# Altium PCB Copy of foxbms2-master.PcbDoc (part 11 of 11)
Units mm, origin at the board's own origin, x right, y up, seen from the top; angles counter-clockwise.
Board outline 200.11 x 130.05 mm, 8 copper layers (Top, Int1 (Sig), Int2 (Gnd), Int3 (Sig), Int4 (Sig), Int5 (Pwr), Int6 (Sig), Bottom), stack 1.636 mm thick; 806 components, 624 nets, 2842 pads, 2609 vias.
Unrouted connection lines stored in the file: 3.
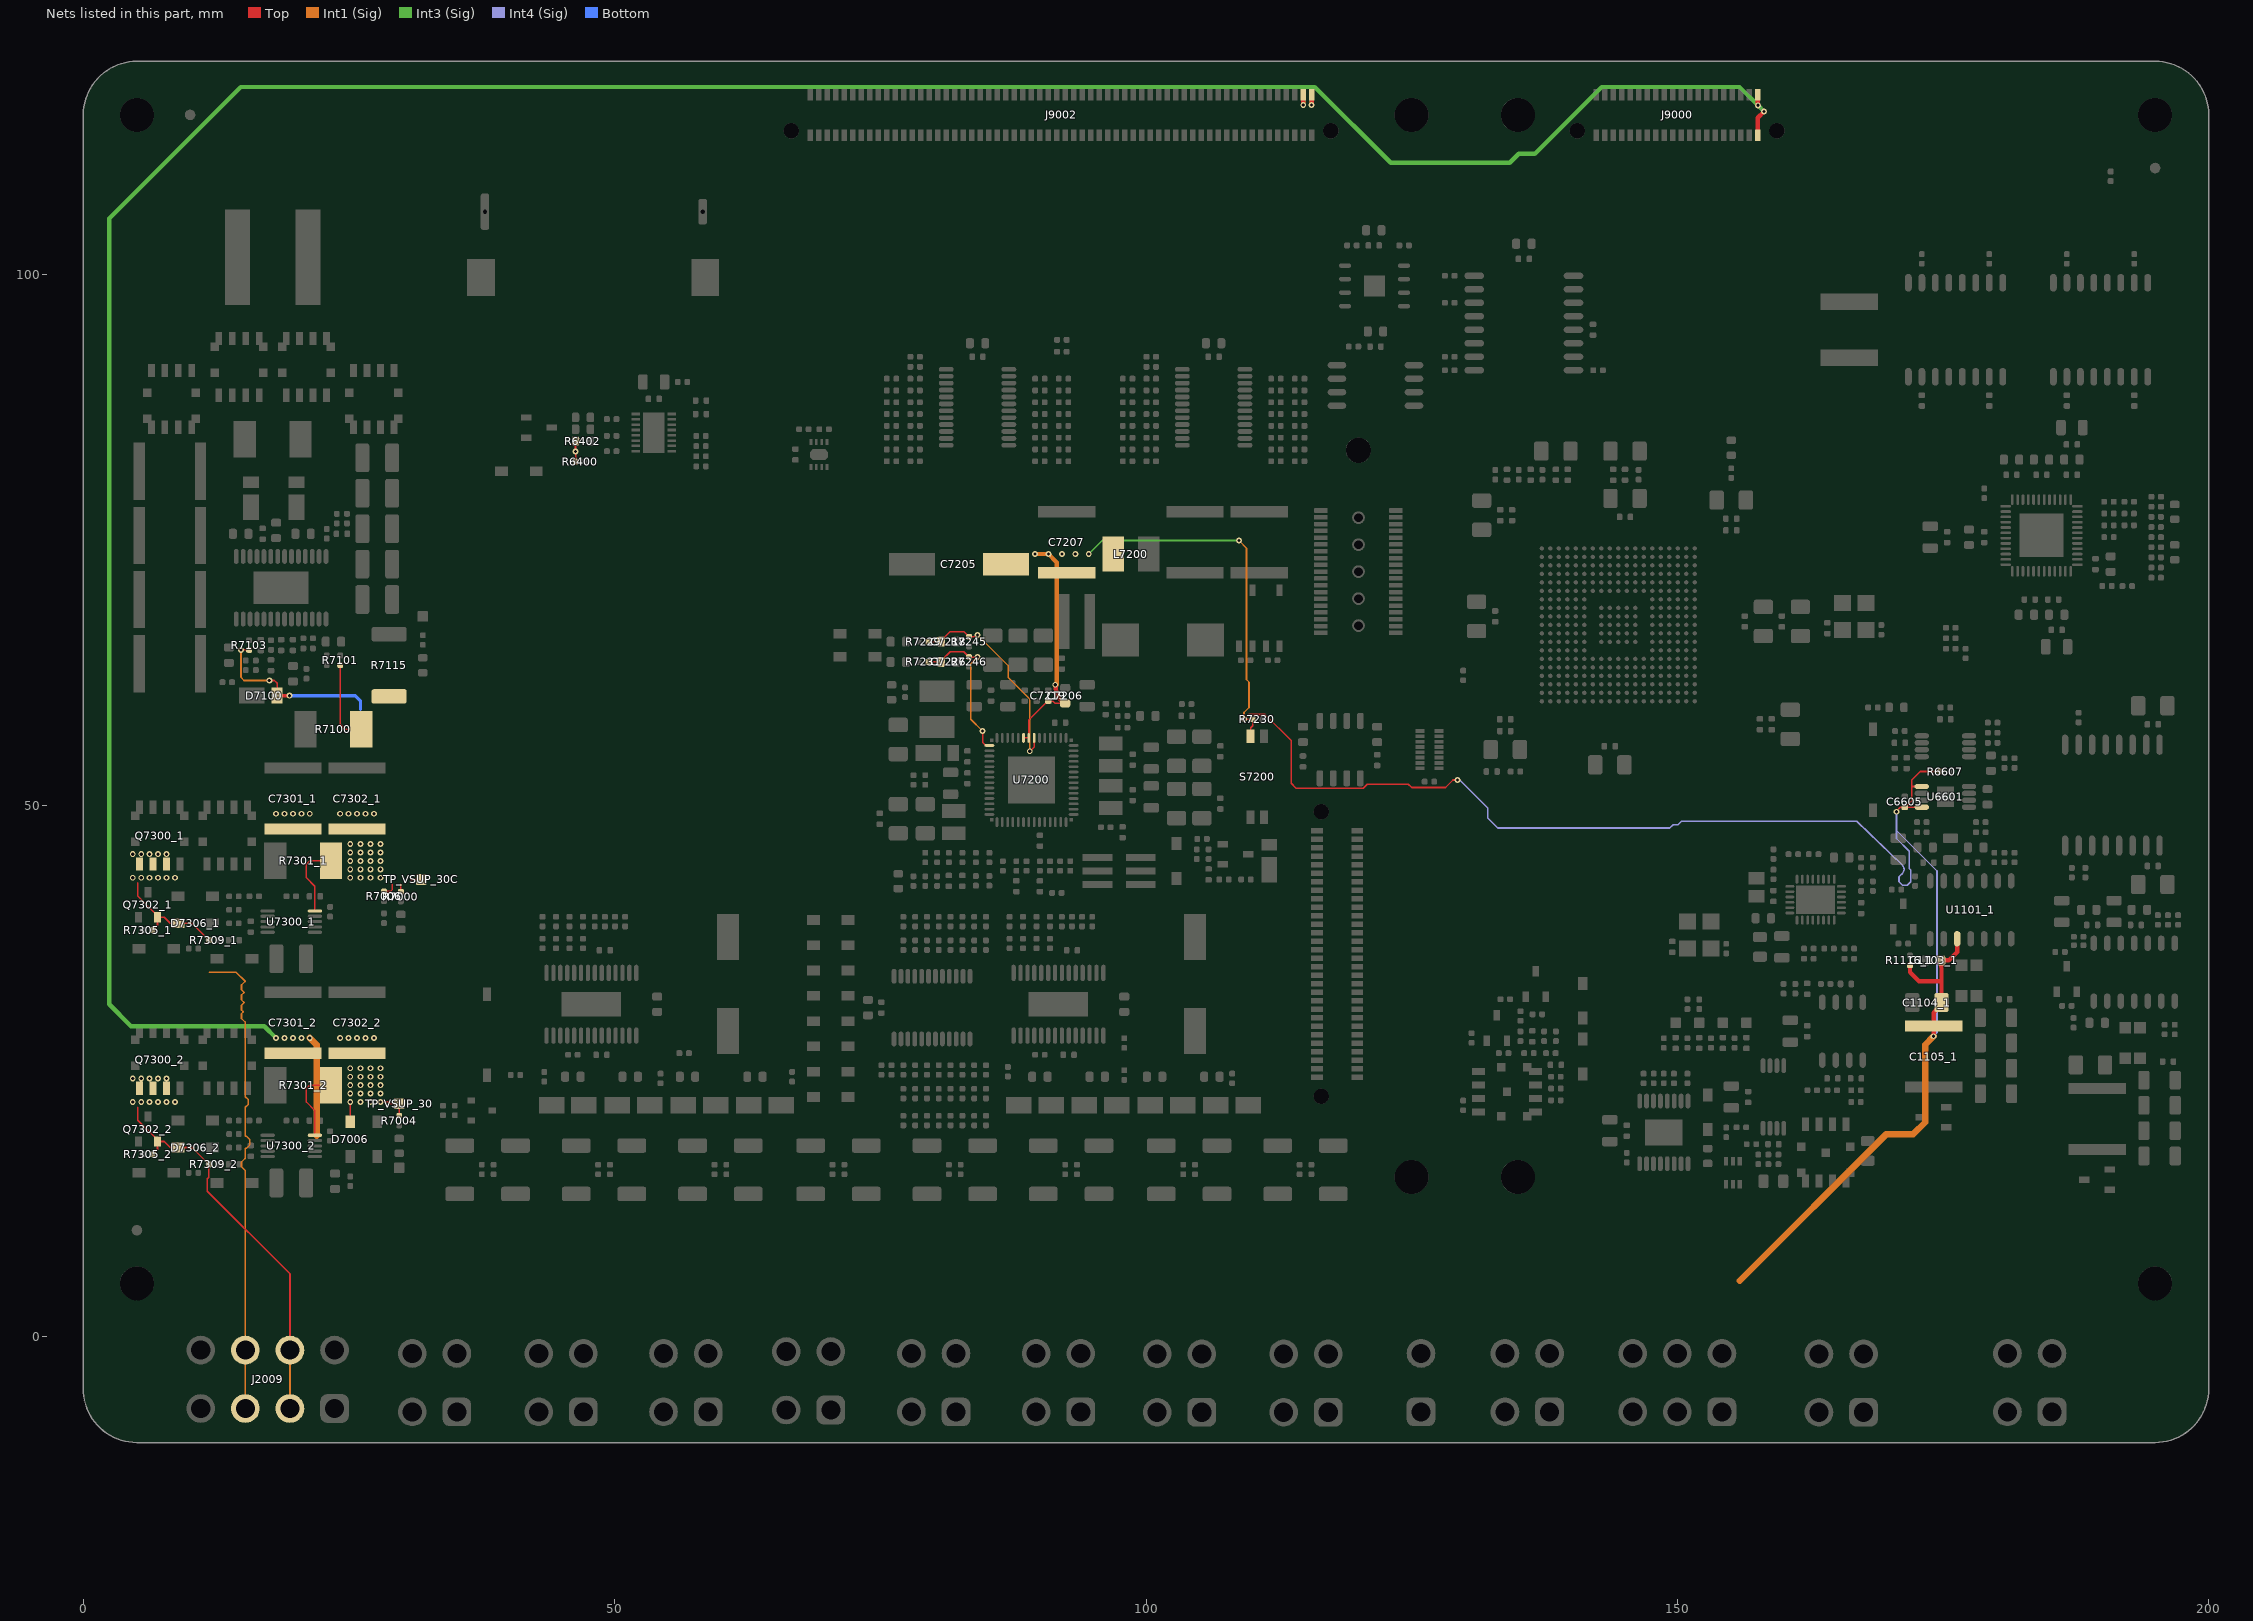
[diagram p17: the nets of this part, all layers, seen from the top]

## Via types
v1: diameter 0.55, hole 0.3, Top to Bottom, 1559 vias
v2: diameter 0.55, hole 0.3, Top to Bottom, tented both sides, 810 vias
v3: diameter 0.45, hole 0.2, Top to Bottom, tented both sides, 169 vias
v4: diameter 0.45, hole 0.2, Top to Bottom, 25 vias
v5: diameter 0.5, hole 0.2, Top to Bottom, 20 vias
v6: diameter 0.75, hole 0.5, Top to Bottom, tented both sides, 17 vias
v7: diameter 0.75, hole 0.5, Top to Bottom, 9 vias

## Nets (pads, with @x,y where several pads share a name; then routed paths per layer and width w, separated by ;. In a path a pad name is that pad's centre, name@x,y a point inside that pad or via, vN(x,y) a via of type N, cw(c..) or ccw(c..) an arc to the next point about the centre after c; other vN are vias at no path point) (continued)
VSUP_30: C1103_1.2 C1104_1.2 C1105_1.2 C6605.2 C7205.1 C7206.2 C7207.2 C7219.2 C7301_2.2 C7302_2.2 D7006.1 J9000.39 J9000.40 J9002.117 J9002.119 L7200.1 R1116_1.2 R6400.2 R6402.2 R6607.1 R7004.2 R7230.2 R7301_2.2 S7200.4 TP_VSUP_30.1 U1101_1.10 U6601.5 U6601.8 U7200.50 U7200.51 U7300_2.5 | length 507.8
  Top w0.152: U7300_2.5@21.751,18.939 21.751,21.27 20.955,22.066 20.955,23.336 21.273,23.654 R7301_2.2@23.262,23.654 ; D7006.1@25.082,20.209 v1(25.082,22.066) ; v1(27.94,22.066) 28.734,22.066 28.892,21.907 TP_VSUP_30.1@29.686,21.907 R7004.2@29.686,20.77 ; R6402.2@46.29,84.296 46.29,83.31 v1(46.286,83.307) 46.305,83.287 R6400.2@46.305,82.356 ; U7200.51@88.467,56.35 U7200.50@88.968,56.35 88.968,58.027 90.755,59.815 C7219.2@90.805,59.815 91.217,59.815 91.432,59.6 C7206.2@92.293,59.6 ; S7200.4@109.855,56.515 109.855,57.309 110.04,57.494 R7230.2@110.04,58.102 v2(109.22,58.102) 109.673,58.555 111.208,58.555 113.665,56.098 113.665,52.07 114.118,51.617 120.46,51.617 120.832,51.989 124.69,51.989 125.005,51.674 128.192,51.674 128.905,52.387 v1(129.334,52.387) ; v1(170.656,49.388) 170.656,49.467 171.003,49.814 C6605.2@171.45,49.814 C6605.2@171.5,49.814 ; U6601.8@173.035,49.825 172.258,49.825 172.247,49.814 C6605.2@171.5,49.814 ; U6601.5@173.035,51.775 172.091,51.775 172.085,51.781 ; R6607.1@174.81,53.181 172.879,53.181 172.085,52.387 172.085,51.781 ; C6605.2@171.5,49.814 172.085,50.399 172.085,51.781
  Top w0.406: v2(91.45,61.357) 91.599,60.325 91.599,60.294 92.293,59.6 C7206.2@92.392,59.6 ; v1(114.8,115.947) J9002.117@114.8,116.9 ; v1(115.594,115.941) 115.6,115.947 J9002.119@115.6,116.9 ; J9000.40@157.6,113.1 157.6,114.737 v1(158.19,115.327) ; J9000.39@157.6,116.9 157.6,115.917 v1(157.615,115.902) ; R1116_1.2@171.926,34.951 171.926,34.29 172.774,33.442 174.889,33.442 ; v2(174.149,28.258) C1105_1.2@174.149,29.228 174.149,30.468 174.889,31.208 C1104_1.2@174.889,31.432 174.889,33.442 ; U1101_1.10@176.371,37.439 176.371,36.195 175.577,35.401 C1103_1.2@174.874,35.401 174.874,34.825 174.889,34.81 174.889,33.442
  Int3 (Sig) w0.152: v1(94.615,73.66) 95.885,74.93 v1(108.744,74.93)
  Int3 (Sig) w0.406: v1(18.098,28.099) 16.986,29.21 4.445,29.21 2.381,31.274 2.381,105.251 14.764,117.634 114.792,117.634 ; v1@114.792,115.947 114.792,117.634 ; v1@115.578,115.941 115.578,117.634 ; v1(158.19,115.327) v1(157.615,115.902) 155.883,117.634 142.899,117.634 136.612,111.347 135.099,111.347 134.242,110.49 123.031,110.49 115.887,117.634 115.578,117.634 ; 114.792,117.634 115.578,117.634
  Int1 (Sig) w0.152: v1(108.744,74.93) 109.459,74.214 109.459,61.842 109.696,61.605 109.696,59.214 109.22,58.737 v2(109.22,58.102)
  Int1 (Sig) w0.406: v1(89.535,73.66) v1(90.805,73.66) 91.599,72.866 91.599,61.357 v2(91.45,61.357)
  Int1 (Sig) w0.61: v1(21.273,28.099) 21.907,27.464 21.907,18.891 ; 155.892,5.239 169.704,19.05 172.244,19.05 173.355,20.161 173.355,27.464 v2(174.149,28.258)
  Int4 (Sig) w0.152: v1@129.381,52.546 132.158,49.769 132.158,48.827 133.12,47.864 149.315,47.864 149.63,48.179 150.087,48.179 150.405,48.497 166.902,48.497 171.199,44.374 cw(c170.815,43.974) 171.194,43.569 170.985,43.373 170.896,43.284 170.896,42.792 171.22,42.467 171.68,42.467 172.004,42.792 172.004,43.905 171.876,44.034 ccw(c170.815,43.974) 171.848,44.222 171.848,45.681 170.656,46.873 170.656,47.636 ; v1(170.656,49.388) 170.656,47.636 ; v2(174.149,28.258) 174.466,28.575 174.466,43.826 170.656,47.636
  other v1: 26.035,22.066 26.987,22.066 25.082,22.86 26.035,22.86 26.987,22.86 27.94,22.86 25.082,23.654 26.035,23.654 26.987,23.654 27.94,23.654 25.082,24.447 26.035,24.447 26.987,24.447 27.94,24.447 25.082,25.241 26.035,25.241 26.987,25.241 27.94,25.241 18.891,28.099 19.685,28.099 20.479,28.099 24.13,28.099 24.924,28.099 25.717,28.099 26.511,28.099 27.305,28.099 92.075,73.66 93.345,73.66
VSUP_30C: C7301_1.2 C7302_1.2 D7100.2 R7000.2 R7006.2 R7100.1 R7101.2 R7103.2 R7115.1 R7301_1.2 TP_VSUP_30C.1 U7300_1.5 | length 34.9
  Top w0.152: v2(14.79,64.637) R7103.2@15.557,64.637 ; v1(17.462,61.754) 17.939,61.754 18.194,61.499 D7100.2@18.194,60.325 ; U7300_1.5@21.751,40.053 21.751,42.384 20.955,43.18 20.955,44.45 21.273,44.767 R7301_1.2@23.262,44.767 ; R7101.2@24.13,63.209 24.13,57.626 24.606,57.15 R7100.1@26.12,57.15 ; R7006.2@28.258,41.884 28.866,41.884 29.051,42.069 29.051,42.545 ; R7000.2@29.845,41.858 29.845,42.545 ; 30.797,43.021 TP_VSUP_30C.1@31.75,43.021
  Top w0.305: D7100.2@18.194,60.325 v1(19.367,60.325)
  Int1 (Sig) w0.152: v2(14.79,64.637) 14.79,62.045 15.081,61.754 v1(17.462,61.754)
  Bottom w0.305: v1(19.367,60.325) 25.559,60.325 26.035,59.849 26.035,59.055
  other v1: 25.082,43.18 26.035,43.18 26.987,43.18 27.94,43.18 25.082,43.974 26.035,43.974 26.987,43.974 27.94,43.974 25.082,44.767 26.035,44.767 26.987,44.767 27.94,44.767 25.082,45.561 26.035,45.561 26.987,45.561 27.94,45.561 25.082,46.355 26.035,46.355 26.987,46.355 27.94,46.355 18.098,49.212 18.891,49.212 19.685,49.212 20.479,49.212 21.273,49.212 24.13,49.212 24.924,49.212 25.717,49.212 26.511,49.212 27.305,49.212
VSUP_ext_1: D7306_1.1 J2009.3 J2009.7 Q7300_1.S Q7302_1.E R7305_1.2 R7309_1.2 | length 57
  Top w0.152: 5.08,42.704 5.08,41.467 6.932,39.615 Q7302_1.E@6.932,39.465 ; R7305_1.2@6.483,38.259 6.932,38.709 Q7302_1.E@6.932,39.465 ; R7309_1.2@11.774,37.306 10.186,38.894 D7306_1.1@8.842,38.894 8.131,38.894 7.56,39.465 Q7302_1.E@6.932,39.465
  Int1 (Sig) w0.152: 11.826,34.29 14.333,34.29 15.183,33.439 15.169,33.425 15.169,33.416 14.844,33.091 14.844,32.632 15.091,32.385 14.844,32.138 14.844,31.679 15.091,31.432 14.844,31.186 14.844,30.727 15.012,30.559 14.844,30.392 14.844,29.933 15.169,29.608 15.204,29.608 15.204,22.569 15.477,22.296 15.477,21.837 15.204,21.563 15.204,18.837 15.311,18.837 15.636,18.512 15.636,18.053 15.311,17.728 15.204,17.728 15.204,16.747 15.169,16.747 14.844,16.422 14.844,15.963 15.169,15.638 15.204,15.638 J2009.7@15.204,-1.288 J2009.3@15.204,-6.787
  other v1: 4.604,43.18 5.397,43.18 6.191,43.18 6.985,43.18 7.779,43.18 8.572,43.18 4.604,45.402 5.397,45.402 6.191,45.402 6.985,45.402 7.779,45.402
VSUP_ext_2: D7306_2.1 J2009.2 J2009.6 Q7300_2.S Q7302_2.E R7305_2.2 R7309_2.2 | length 37.3
  Top w0.152: 5.08,21.59 5.08,20.354 6.932,18.501 Q7302_2.E@6.932,18.351 ; R7305_2.2@6.483,17.145 6.932,17.595 Q7302_2.E@6.932,18.351 ; R7309_2.2@11.73,16.237 10.186,17.78 D7306_2.1@8.842,17.78 8.131,17.78 7.56,18.351 Q7302_2.E@6.932,18.351 ; R7309_2.2@11.774,16.192 11.774,14.995 11.626,14.848 11.626,13.674 19.404,5.896 J2009.6@19.404,-1.288
  Int1 (Sig) w0.152: J2009.2@19.404,-6.787 J2009.6@19.404,-1.288
  other v1: 4.604,22.066 5.397,22.066 6.191,22.066 6.985,22.066 7.779,22.066 8.572,22.066 4.604,24.289 5.397,24.289 6.191,24.289 6.985,24.289 7.779,24.289
WAKE1_int_76: C7218.2 R7229.1 R7245.1 U7200.49 | length 19.8
  Top w0.152: R7229.1@79.507,65.405 C7218.2@80.714,65.405 80.714,65.505 81.566,66.358 82.841,66.358 R7245.1@83.344,65.855 83.952,65.855 v2(84.138,66.04) ; v2(89.059,55.086) 89.467,55.495 U7200.49@89.467,56.35
  Int1 (Sig) w0.152: v2(84.138,66.04) 87.013,63.164 87.013,62.053 89.059,60.008 v2(89.059,55.086)
WAKE2_int_76: C7226.2 R7231.1 R7246.1 U7200.1 | length 14.8
  Top w0.152: R7231.1@79.507,63.5 C7226.2@80.714,63.5 80.714,63.6 81.566,64.453 82.841,64.453 R7246.1@83.344,63.95 84.111,63.95 v2(84.138,63.976) ; v2(84.614,56.991) 84.614,55.941 84.917,55.638 U7200.1@85.255,55.638
  Int1 (Sig) w0.152: v2(84.138,63.976) 83.502,63.341 83.502,58.102 v2(84.614,56.991)
pads on no net: D8001.4 D8001.6 Designator69.Hole_WA-SMSI_M3 Designator70.Hole_WA-SMSI_M3 Designator71.Hole_WA-SMSI_M3 Designator72.Hole_WA-SMSI_M3 Designator74.0 Designator75.Hole_WA-SMSI_M3 Designator76.Hole_WA-SMSI_M3 Designator77.Hole_WA-SMSI_M3 Designator78.Hole_WA-SMSI_M3 Designator79.0 Designator81.0 J2021.4 J3008.1 J3008.2 J3008.3 J3008.4 J3008.Orientation J9000. J9001. J9002. J9002.55 J9002.82 J9002.83 J9002.84 R3150.5 R3150.6 R3150.7 R3150.8 R3150.9 R3150.10 R3150.11 R3150.12 T1200.4 T1200.5 T1200.12 T1200.13 T1201.4 T1201.5 T1201.12 T1201.13 U1101_1.11 U1101_2.11 U1200.13 U1200.14 U1200.15 U1200.16 U1200.17 U1200.19 U1200.21 U1200.23 U1200.24 U1200.40 U1200.48 U4301.1 U4301.3 U4301.5 U4301.7 U4301.8 U4500_1.5 U4500_2.5 U5000.D3 U5000.H5 U5000.J5 U5000.L1 U5000.L2 U6200.4 U6200.5 U6200.6 U6200.11 U6200.12 U6200.13 U6201.7 U6400.4 U6601.2 U6601.3 U6601.6 U6601.7 U7200.2 U7200.52 U7200.A U7200.B U7200.C U7200.D U8000.4 U8000.10 U8001.1

## Polygon pours and split planes (outlines as drawn)
ISOMON.SUP-_1 on Top "ISOMON.SUP-_1_L01_P1440" (solid, pour order 1440): 132.715,25.876 137.477,25.876 137.477,19.367 132.715,19.367
SHIELD on Top "SHIELD_L01_P1406" (solid, pour order 1406): 197.644,98.108 197.644,103.188 192.881,103.188 192.881,109.22 170.021,109.22 170.021,103.188 163.036,103.188 163.036,95.885 169.386,95.885 169.386,98.108
ETHERNET.SHIELD_1 on Top "ETHERNET.SHIELD_1_L01_P1405" (solid, pour order 1405): 170.021,119.697 191.452,119.697 191.452,109.379 170.021,109.379
NetC7214_2 on Top "NETC7214_2_L01_P1295" (solid, pour order 1295): 110.807,70.961 113.824,70.961 113.824,60.642 101.917,60.642 101.917,70.644 107.474,70.644 107.474,65.564 109.379,65.564 109.379,61.595 112.871,61.595 112.871,65.722 110.807,65.722
GND on Top "GND_L01_P1272" (solid, pour order 1272): 84.455,64.294 91.281,64.294 91.281,63.182 92.71,63.182 92.71,61.912 96.679,61.912 96.679,59.214 95.726,59.214 95.726,60.484 95.091,60.484 82.867,60.484 82.867,62.071 84.455,62.071
GND on Top "GND_L01_P1231" (solid, pour order 1231): 110.331,65.564 112.236,65.564 112.236,63.182 112.712,63.182 112.712,61.754 109.537,61.754 109.537,63.182 110.331,63.182
NetC7208_2 on Top "NETC7208_2_L01_P1291" (solid, pour order 1291): 98.901,75.406 98.901,71.279 107.791,71.279 107.791,65.722 110.49,65.722 110.49,71.279 113.506,71.279 113.506,75.406
GND on Top "GND_L01_P1308" (solid, pour order 1308): 75.248,66.992 82.074,66.992 82.074,76.041 113.665,76.041 113.665,78.581 75.248,78.581
GND on Top "GND_L01_P1293" (solid, pour order 1293): 93.662,47.942 93.662,56.832 84.772,56.832 84.772,47.942
GND on Top "NONET_L-01_P-001" (solid, pour order 1411): 163.036,93.504 163.036,87.312 169.386,87.312 169.386,93.504
GND on Top "GND_L01_P1311" (solid, remove dead copper, pour order 1311): 8.731,84.138 11.747,84.138 11.747,74.136 25.4,74.136 25.4,79.216 24.447,79.216 21.273,82.391 18.732,82.391 18.732,86.36 23.336,86.36 23.336,84.138 27.305,84.138 27.305,66.834 24.765,66.834 11.906,66.834 11.906,60.484 8.731,60.484
GND on Top "GND_L01_P1390" (solid, pour order 1390): 16.51,51.276 28.734,51.276 28.734,54.451 16.51,54.451
GND on Top "GND_L01_P1383" (solid, pour order 1383): 172.244,52.546 178.276,52.546 178.276,49.054 172.244,49.054
GND on Top "GND_L01_P1251" (solid, pour order 1251): 51.435,82.709 51.435,87.471 55.88,87.471 55.88,82.709
GND on Top "GND_L01_P1282" (solid, pour order 1282): 53.34,30.956 66.358,30.956 66.358,26.194 53.34,26.194
GND on Top "GND_L01_P1285" (solid, pour order 1285): 97.314,30.956 110.331,30.956 110.331,26.194 97.314,26.194
GND on Top "GND_L01_P1284" (solid, pour order 1284): 97.314,30.956 110.331,30.956 110.331,26.194 97.314,26.194
GND on Top "GND_L01_P1286" (solid, pour order 1286): 53.34,30.956 66.358,30.956 66.358,26.194 53.34,26.194
GND on Top "GND_L01_P1299" (solid, pour order 1299): 16.51,30.162 28.734,30.162 28.734,33.337 16.51,33.337
GND on Top "GND_L01_P1232" (solid, pour order 1232): 71.12,80.962 67.786,80.962 67.786,84.931 71.12,84.931
VSUP_30 on Top "NONET_L-01_P-001" (solid, pour order 1385): 20.955,21.273 20.955,25.876 16.51,25.876 16.51,28.892 28.734,28.892 28.734,21.273
VSUP_30C on Top "NONET_L-01_P-001" (solid, pour order 1395): 20.955,42.386 20.955,46.99 16.51,46.99 16.51,50.006 28.734,50.006 28.734,42.386
NetQ7301_1_S on Top "NETQ7301_1_S_L01_P1394" (solid, pour order 1394): 20.32,42.386 20.32,46.831 16.51,46.831 16.51,45.72 10.477,45.72 10.477,42.386
VSUP_ext_1 on Top "VSUP_EXT_1_L01_P1391" (solid, pour order 1391): 4.127,45.72 4.127,42.386 10.16,42.386 10.16,45.72
NetD8000_1 on Top "NONET_L-01_P-001" (solid, pour order 1436): 151.924,17.145 151.924,20.32 154.146,20.32 154.146,17.145
NetL7201_2 on Top "NETL7201_2_L01_P1428" (solid, pour order 1428): 94.139,70.644 94.139,62.071 101.282,62.071 101.282,70.644
VBB_12V on Top "Top-ISOMON.SUP+" (solid, pour order 1404): 26.829,65.246 27.94,65.246 30.639,65.246 30.639,89.694 23.812,89.694 23.812,84.455 27.94,84.455 27.94,67.151 26.829,67.151
GND_SW_1 on Top "NONET_L-01_P-001" (solid, pour order 1402): 37.148,23.177 37.148,19.367 42.069,19.367 42.069,23.177
VSUP_30C on Top "NONET_L-01_P-001" (solid, pour order 1400): 28.575,42.386 30.956,42.386 30.956,61.119 25.082,61.119 25.082,55.086 29.21,55.086 29.21,50.006 28.575,50.006
NetQ7102_S on Top "NETQ7102_S_L01_P1279" (solid, pour order 1279): 12.224,89.694 23.336,89.694 23.336,86.677 17.78,86.677 17.78,82.391 12.224,82.391
NetC7115_2 on Top "NETC7115_2_L01_P1301" (solid, pour order 1301): 18.098,90.011 33.496,90.011 33.496,110.331 18.098,110.331
NetC7105_2 on Top "NETC7105_2_L01_P1302" (solid, pour order 1302): 4.286,89.694 4.286,55.086 21.907,55.086 21.907,59.214 7.461,59.214 7.461,84.455 11.747,84.455 11.747,89.694
NetC7111_2 on Top "NETC7111_2_L01_P1303" (solid, pour order 1303): 17.462,90.011 2.064,90.011 2.064,110.331 17.462,110.331
NetQ7300_1_D on Top "NETQ7300_1_D_L01_P1392" (solid, pour order 1392): 2.064,45.879 2.064,54.451 16.351,54.451 16.351,45.879
NetQ7301_2_S on Top "NETQ7301_2_S_L01_P1384" (solid, pour order 1384): 20.32,21.273 20.32,25.717 16.51,25.717 16.51,24.606 10.477,24.606 10.477,21.273
VBB_12V on Top "VBB_12V_L01_P1244" (solid, pour order 1244): 88.424,26.194 86.519,26.194 86.519,35.084 88.424,35.084
VBB_12V on Top "VBB_12V_L01_P1243" (solid, pour order 1243): 44.45,26.194 42.545,26.194 42.545,35.084 44.45,35.084
VSUP_ext_2 on Top "VSUP_EXT_2_L01_P1309" (solid, pour order 1309): 4.127,24.606 4.127,21.273 10.16,21.273 10.16,24.606
MCU_3.3V on Top "MCU_3.3V_L01_P1236" (solid, pour order 1236): 78.105,59.531 82.55,59.531 82.55,62.706 78.105,62.706
MCU_3.3V on Top "MCU_3.3V_L01_P1278" (solid, pour order 1278): 92.869,63.5 91.599,63.5 91.599,64.929 84.455,64.929 84.455,70.644 92.869,70.644
VSUP_30 on Top "VSUP_30_L01_P1288" (solid, pour order 1288): 98.266,75.406 82.709,75.406 82.709,71.279 98.266,71.279
VEE on Top "VEE_L01_P1216" (solid, pour order 1216): 160.179,41.116 160.179,40.64 164.782,40.64 164.782,41.116
NetQ8000_D on Top "NETQ8000_D_L01_P1298" (solid, pour order 1298): 159.226,19.05 167.005,19.05 167.005,14.129 170.18,14.129 170.18,11.112 159.226,11.112
INTERLOCK.HI_1 on Top "INTERLOCK.HI_1_L01_P1237" (solid, pour order 1237): 150.019,17.78 151.765,17.78 151.765,16.986 154.146,16.986 154.146,11.112 150.019,11.112
VBB_12V on Top "VBB_12V_L01_P1304" (solid, pour order 1304): 96.996,26.194 95.091,26.194 95.091,35.242 95.091,40.322 110.331,40.322 110.331,31.591 96.996,31.591
VBB_12V on Top "VBB_12V_L01_P1306" (solid, pour order 1306): 53.023,26.194 51.117,26.194 51.117,35.242 51.117,40.322 66.357,40.322 66.358,31.591 53.023,31.591
NetQ7300_2_D on Top "NETQ7300_2_D_L01_P1310" (solid, pour order 1310): 2.064,24.765 2.064,33.337 16.351,33.337 16.351,24.765
no net on Top Overlay "Polygon_20_NoNet" (solid): 39.265,115.049 39.756,115.048 39.758,114.628 39.792,114.735 39.874,114.856 39.982,114.974 40.145,115.066 40.247,115.092 40.394,115.099 40.485,115.074 40.485,114.512 40.4,114.553 40.28,114.568 40.118,114.552 40.008,114.493 39.932,114.41 39.891,114.326 39.859,114.209 39.837,114.133 39.821,113.972 39.817,112.982 39.265,112.983
no net on Top Overlay "Polygon_10_NoNet" (solid): 53.954,111.593 54.249,111.593 54.248,110.188 53.953,110.189
no net on Top Overlay "Polygon_13_NoNet" (solid): 52.183,115.05 52.573,115.048 52.574,115.402 52.585,115.474 52.621,115.619 52.685,115.752 52.758,115.847 52.867,115.934 52.989,115.992 53.127,116.016 53.259,116.024 53.357,116.021 53.445,116.01 53.536,115.998 53.63,115.981 53.587,115.515 53.562,115.519 53.502,115.562 53.404,115.586 53.344,115.59 53.293,115.585 53.233,115.563 53.177,115.505 53.151,115.453 53.132,115.395 53.126,115.342 53.125,115.049 53.589,115.049 53.588,114.634 53.123,114.636 53.124,112.981 52.57,112.984 52.573,114.633 52.18,114.638
no net on Top Overlay "Polygon_3_NoNet" (solid): 31.845,113.621 31.847,112.984 32.08,113.103 32.37,113.26 33.015,113.619 33.422,113.856 33.724,114.036 34.046,114.233 34.411,114.463 34.754,114.683 35.13,114.928 35.461,115.153 35.7,115.314 35.984,115.514 35.982,115.923 35.889,115.858 35.644,115.701 35.333,115.507 35.059,115.339 34.78,115.176 34.48,114.998 34.272,114.876 33.945,114.698 33.67,114.548 33.458,114.433 33.183,114.284 32.887,114.128 32.482,113.926 32.232,113.804 32.019,113.698
no net on Top Overlay "Polygon_16_NoNet" (solid): 45.293,115.049 45.814,115.049 45.814,114.783 45.849,114.824 45.922,114.903 46.046,114.997 46.216,115.063 46.336,115.086 46.4,115.095 46.549,115.096 46.664,115.077 46.759,115.052 46.849,115.005 46.912,114.965 46.976,114.909 47.065,114.787 47.12,114.676 47.149,114.571 47.175,114.452 47.18,114.395 47.18,112.983 46.628,112.981 46.629,114.254 46.616,114.354 46.593,114.437 46.568,114.507 46.53,114.561 46.471,114.614 46.393,114.649 46.342,114.659 46.249,114.659 46.202,114.654 46.131,114.626 46.073,114.595 46.027,114.557 45.971,114.494 45.927,114.421 45.893,114.344 45.87,114.255 45.846,114.109 45.841,114.079 45.84,112.984 45.291,112.983
no net on Top Overlay "Polygon_9_NoNet" (solid): 54.587,111.593 54.871,111.593 54.871,110.188 54.588,110.19
no net on Top Overlay "Polygon_6_NoNet" (solid): 31.84,117.152 31.846,115.985 32.22,116.005 32.772,116.06 33.475,116.16 33.869,116.234 34.286,116.328 34.851,116.48 35.338,116.638 35.793,116.813 35.986,116.896 35.986,117.155
no net on Top Overlay "Polygon_19_NoNet" (solid): 41.136,114.206 40.983,114.151 40.865,114.079 40.777,113.991 40.699,113.906 40.646,113.781 40.623,113.634 40.62,113.49 40.636,113.388 40.676,113.299 40.725,113.207 40.829,113.109 40.921,113.041 41.045,112.982 41.162,112.952 41.266,112.936 41.419,112.936 41.552,112.956 41.568,113.354 41.393,113.348 41.274,113.379 41.22,113.42 41.18,113.467 41.154,113.538 41.151,113.634 41.164,113.689 41.196,113.751 41.236,113.8 41.299,113.843 41.392,113.888 41.344,114.245
no net on Top Overlay "Polygon_12_NoNet" (solid): 54.984,114.223 55.169,114.224 55.155,114.304 55.132,114.419 55.07,114.531 54.991,114.605 54.88,114.67 54.75,114.686 54.631,114.672 54.517,114.63 54.435,114.565 54.358,114.466 54.311,114.358 54.29,114.227 54.984,114.223 54.973,113.836 54.286,113.835 54.293,113.804 54.307,113.727 54.336,113.652 54.365,113.583 54.416,113.523 54.486,113.455 54.571,113.401 54.665,113.367 54.764,113.351 54.964,113.351 55.086,113.367 55.194,113.394 55.317,113.442 55.39,113.481 55.481,113.526 55.536,113.555 55.543,113.101 55.466,113.059 55.364,113.013 55.245,112.983 55.128,112.953 54.958,112.933 54.739,112.937 54.676,112.94 54.525,112.967 54.392,112.999 54.275,113.048 54.157,113.112 54.03,113.221 53.918,113.364 53.833,113.53 53.78,113.744 53.764,113.868 53.775,114.19 53.791,114.325 53.842,114.5 53.936,114.692 54.04,114.812 54.162,114.927 54.381,115.045 54.629,115.086 54.868,115.086 55.081,115.047 55.273,114.959 55.464,114.786 55.588,114.569 55.653,114.337 55.689,114.078 55.696,113.838 54.973,113.837
no net on Top Overlay "Polygon_2_NoNet" (solid): 32.215,112.988 32.801,112.982 32.996,113.1 33.374,113.334 33.522,113.427 33.697,113.54 33.88,113.659 34.072,113.786 34.286,113.928 34.511,114.081 34.675,114.194 34.818,114.293 34.995,114.422 35.155,114.54 35.285,114.636 35.424,114.74 35.562,114.845 35.683,114.938 35.76,114.994 35.854,115.066 35.922,115.12 35.983,115.168 35.985,115.431 35.938,115.395 35.888,115.351 35.787,115.281 35.661,115.19 35.576,115.126 35.471,115.05 35.367,114.979 35.285,114.917 35.211,114.862 35.102,114.791 34.987,114.71 34.888,114.644 34.793,114.577 34.673,114.499 34.577,114.43 34.433,114.338 34.254,114.22 34.067,114.095 33.852,113.958 33.607,113.807 33.442,113.707 33.298,113.614 33.118,113.509 32.952,113.411 32.722,113.275 32.502,113.144
no net on Top Overlay "Polygon_15_NoNet" (solid): 47.705,115.975 48.258,115.974 48.259,114.786 48.322,114.863 48.449,114.966 48.589,115.04 48.739,115.078 48.831,115.094 48.957,115.096 49.026,115.087 49.132,115.061 49.222,115.029 49.317,114.971 49.366,114.929 49.435,114.854 49.537,114.675 49.571,114.551 49.588,114.463 49.594,114.395 49.598,114.324 49.597,112.982 49.046,112.982 49.046,114.187 49.035,114.33 49.014,114.436 48.976,114.523 48.926,114.586 48.865,114.628 48.813,114.649 48.758,114.661 48.66,114.66 48.589,114.641 48.527,114.619 48.468,114.576 48.4,114.511 48.353,114.444 48.316,114.355 48.285,114.261 48.269,114.163 48.261,114.08 48.258,112.982 47.705,112.982
no net on Top Overlay "Polygon_5_NoNet" (solid): 31.843,115.778 31.842,115.288 32.148,115.345 32.471,115.408 32.85,115.492 33.184,115.575 33.602,115.686 33.976,115.801 34.335,115.911 34.659,116.021 35.126,116.2 35.419,116.322 35.676,116.433 35.866,116.519 35.982,116.575 35.984,116.812 35.887,116.768 35.787,116.723 35.608,116.652 35.457,116.586 35.283,116.521 35.089,116.454 34.785,116.349 34.541,116.276 34.354,116.221 34.112,116.157 33.837,116.084 33.555,116.023 33.261,115.966 33.005,115.919 32.79,115.885 32.552,115.848 32.268,115.819 32.009,115.788
no net on Top Overlay "Polygon_18_NoNet" (solid): 41.378,113.883 41.453,113.902 41.528,113.915 41.606,113.919 41.946,113.92 41.943,113.801 41.932,113.754 41.895,113.624 41.834,113.522 41.794,113.474 41.713,113.409 41.649,113.372 41.575,113.357 41.553,113.353 41.536,112.951 41.671,113.005 41.782,113.067 41.9,113.175 41.97,113.272 41.99,112.981 42.482,112.984 42.465,113.227 42.457,113.553 42.456,114.266 42.437,114.478 42.388,114.663 42.3,114.827 42.166,114.952 41.983,115.043 41.778,115.082 41.668,115.092 41.457,115.095 41.256,115.066 41.049,115.017 40.916,114.968 40.84,114.932 40.86,114.453 40.992,114.538 41.16,114.62 41.337,114.671 41.531,114.684 41.707,114.665 41.833,114.596 41.899,114.514 41.931,114.413 41.952,114.264 41.496,114.261 41.328,114.243
no net on Top Overlay "Polygon_8_NoNet" (solid): 55.943,111.316 55.966,111.57 55.869,111.596 55.768,111.614 55.725,111.617 55.56,111.614 55.452,111.592 55.347,111.551 55.27,111.491 55.206,111.402 55.172,111.319 55.162,111.245 55.16,111.109 55.189,111.026 55.231,110.956 55.319,110.877 55.407,110.824 55.512,110.777 55.594,110.744 55.669,110.704 55.716,110.661 55.736,110.636 55.744,110.602 55.745,110.535 55.714,110.483 55.67,110.444 55.621,110.423 55.576,110.408 55.517,110.404 55.431,110.411 55.367,110.426 55.315,110.442 55.279,110.463 55.21,110.491 55.186,110.221 55.269,110.197 55.374,110.176 55.44,110.166 55.626,110.166 55.735,110.186 55.848,110.235 55.924,110.281 55.988,110.352 56.025,110.44 56.048,110.534 56.046,110.665 56.015,110.78 55.94,110.876 55.836,110.955 55.697,111.015 55.591,111.061 55.528,111.091 55.473,111.149 55.462,111.183 55.471,111.272 55.521,111.337 55.584,111.373 55.738,111.375 55.812,111.359
no net on Top Overlay "Polygon_1_NoNet" (solid): 33.308,112.985 35.984,112.983 35.982,115.021 35.919,114.97 35.794,114.863 35.672,114.76 35.541,114.653 35.431,114.564 35.323,114.477 35.195,114.38 35.058,114.27 34.95,114.184 34.834,114.095 34.714,114.002 34.521,113.859 34.329,113.715 34.175,113.6 33.995,113.468 33.825,113.348 33.692,113.251 33.572,113.168 33.475,113.098 33.403,113.05
no net on Top Overlay "Polygon_21_NoNet" (solid): 37.349,115.773 37.349,112.983 37.922,112.982 37.922,114.196 38.86,114.198 38.86,114.652 37.922,114.653 37.924,115.317 38.907,115.318 38.906,115.773
no net on Top Overlay "Polygon_11_NoNet" (solid): 55.995,115.102 56.599,115.097 56.602,114.945 56.513,114.706 56.57,114.817 56.624,114.922 56.759,115.035 56.896,115.109 57.02,115.149 57.151,115.156 57.224,115.152 57.336,115.105 57.344,114.418 57.21,114.476 57.129,114.499 56.996,114.51 56.875,114.475 56.79,114.407 56.744,114.321 56.701,114.199 56.678,114.104 56.665,113.907 56.662,112.927 55.995,112.927
no net on Top Overlay "Polygon_4_NoNet" (solid): 31.845,115.008 31.847,114.186 32.198,114.329 32.519,114.462 32.884,114.622 33.323,114.826 33.657,114.982 33.96,115.118 34.33,115.312 34.791,115.55 35.288,115.815 35.617,116.009 35.982,116.218 35.982,116.43 35.87,116.371 35.706,116.292 35.548,116.221 35.364,116.135 35.167,116.053 34.956,115.966 34.777,115.891 34.664,115.848 34.492,115.778 34.22,115.681 33.955,115.589 33.688,115.502 33.467,115.431 33.249,115.366 32.954,115.281 32.728,115.221 32.503,115.161 32.28,115.106 32.082,115.059 31.976,115.032
no net on Top Overlay "Polygon_17_NoNet" (solid): 42.869,115.049 43.421,115.049 43.423,113.801 43.433,113.707 43.469,113.554 43.526,113.458 43.605,113.402 43.662,113.378 43.727,113.371 43.816,113.371 43.888,113.384 43.966,113.422 44.039,113.474 44.099,113.552 44.15,113.652 44.188,113.763 44.202,113.866 44.216,113.979 44.216,115.049 44.763,115.05 44.764,112.984 44.24,112.982 44.241,113.245 44.222,113.225 44.104,113.117 44.024,113.061 43.925,113.008 43.805,112.968 43.703,112.944 43.653,112.937 43.481,112.938 43.395,112.95 43.297,112.978 43.2,113.021 43.124,113.074 43.044,113.158 42.963,113.291 42.916,113.409 42.884,113.525 42.87,113.665
no net on Top Overlay "Polygon_14_NoNet" (solid): 50.928,115.099 51.133,115.086 51.311,115.053 51.487,114.988 51.666,114.884 51.799,114.757 51.887,114.639 51.978,114.464 52.03,114.33 52.063,114.138 52.069,114.044 52.063,113.9 52.04,113.735 51.998,113.585 51.926,113.425 51.851,113.318 51.728,113.191 51.607,113.093 51.428,113.008 51.237,112.953 51.09,112.936 50.88,112.936 50.717,112.959 50.516,113.018 50.376,113.093 50.249,113.181 50.122,113.318 50.04,113.445 49.972,113.618 49.93,113.774 49.91,113.93 49.914,114.119 49.937,114.294 49.989,114.467 50.09,114.637 50.213,114.793 50.369,114.92 50.502,114.995 50.652,115.054 50.782,115.076 50.847,115.089 50.929,115.099 50.943,114.665 50.87,114.65 50.775,114.609 50.666,114.539 50.603,114.469 50.546,114.361 50.508,114.24 50.485,114.105 50.488,113.983 50.498,113.874 50.523,113.743 50.568,113.634 50.615,113.551 50.686,113.471 50.793,113.402 50.914,113.373 51.098,113.37 51.211,113.417 51.313,113.484 51.393,113.599 51.443,113.719 51.479,113.867 51.488,113.979 51.489,114.133 51.466,114.252 51.44,114.354 51.374,114.469 51.298,114.545 51.193,114.622 51.083,114.653 50.974,114.667 50.943,114.667
no net on Top Overlay "Polygon_7_NoNet" (solid): 56.762,111.354 56.812,111.356 56.871,111.33 56.917,111.299 56.941,111.259 56.945,111.155 56.937,111.128 56.918,111.102 56.881,111.076 56.832,111.052 56.766,111.038 56.633,111.038 56.647,110.806 56.822,110.809 56.883,110.785 56.945,110.739 56.973,110.695 56.984,110.667 56.984,110.561 56.965,110.518 56.93,110.479 56.873,110.455 56.813,110.433 56.626,110.433 56.62,110.191 56.849,110.192 56.951,110.204 57.129,110.274 57.246,110.402 57.283,110.575 57.265,110.708 57.215,110.807 57.131,110.877 57.04,110.917 57.002,110.923 57.055,110.94 57.144,110.999 57.209,111.088 57.235,111.182 57.235,111.28 57.2,111.408 57.143,111.495 57.031,111.561 56.913,111.591 56.752,111.597 56.314,111.595 56.317,110.189 56.62,110.19 56.626,110.431 56.602,110.431 56.605,110.804 56.647,110.804 56.633,111.037 56.607,111.037 56.6,111.352
no net on Top Overlay "SN_Field" (solid): 12.382,112.236 12.383,117.792 26.987,117.793 26.987,112.236
ETHERNET.SHIELD_1 on Bottom "ETHERNET.SHIELD_1_L08_P1408" (solid, pour order 1408): 170.021,119.697 191.452,119.697 191.452,109.379 170.021,109.379
SHIELD on Bottom "SHIELD_L08_P1407" (solid, pour order 1407): 197.644,98.108 197.644,103.188 192.881,103.188 192.881,109.22 170.021,109.22 170.021,103.188 163.036,103.188 163.036,95.885 169.386,95.885 169.386,98.108
GND on Bottom "GND_L08_P1379" (solid, pour order 1379): 36.354,40.481 58.579,40.481 58.579,13.97 36.354,13.97
NetC7214_2 on Bottom "NETC7214_2_L08_P1426" (solid, pour order 1426): 110.807,70.961 113.824,70.961 113.824,60.642 101.917,60.642 101.917,70.644 107.474,70.644 107.474,65.564 109.379,65.564 109.379,61.595 112.871,61.595 112.871,65.722 110.807,65.722
NetC7208_2 on Bottom "NETC7208_2_L08_P1425" (solid, pour order 1425): 98.901,75.406 98.901,71.279 107.791,71.279 107.791,65.722 110.49,65.722 110.49,71.279 113.506,71.279 113.506,75.406
GND on Bottom "GND_L08_P1350" (solid, pour order 1350): 8.731,84.138 11.747,84.138 11.747,74.136 25.4,74.136 25.4,79.216 24.447,79.216 21.273,82.391 18.732,82.391 18.732,86.36 23.336,86.36 23.336,84.138 27.305,84.138 27.305,66.834 24.765,66.834 11.906,66.834 11.906,60.484 8.731,60.484
GND on Bottom "GND_L08_P1393" (solid, pour order 1393): 28.734,51.276 28.734,54.451 16.51,54.451 16.51,51.276
GND on Bottom "GND_L08_P1345" (solid, pour order 1345): 28.734,30.162 28.734,33.337 16.51,33.337 16.51,30.162
GND on Bottom "GND_L08_P1377" (solid, pour order 1377): 80.328,40.481 102.552,40.481 102.552,13.97 80.328,13.97
VSUP_30 on Bottom "NONET_L-01_P-001" (solid, pour order 1386): 20.955,21.273 20.955,25.876 16.51,25.876 16.51,28.892 28.734,28.892 28.734,21.273
VSUP_30C on Bottom "NONET_L-01_P-001" (solid, pour order 1396): 20.955,42.386 20.955,46.99 16.51,46.99 16.51,50.006 28.734,50.006 28.734,42.386
NetQ7301_1_S on Bottom "NETQ7301_1_S_L08_P1397" (solid, pour order 1397): 20.32,42.386 20.32,46.831 16.51,46.831 16.51,45.72 10.477,45.72 10.477,42.386
VSUP_ext_1 on Bottom "VSUP_EXT_1_L08_P1398" (solid, pour order 1398): 4.127,45.72 4.127,42.386 10.16,42.386 10.16,45.72
NetL7201_2 on Bottom "NETL7201_2_L08_P1280" (solid, pour order 1280): 94.139,70.644 94.139,62.071 101.282,62.071 101.282,70.644
VSUP_30C on Bottom "NONET_L-01_P-001" (solid, pour order 1401): 28.575,42.386 30.956,42.386 30.956,59.214 25.082,59.214 25.082,55.086 29.21,55.086 29.21,50.006 28.575,50.006
NetQ7102_S on Bottom "NETQ7102_S_L08_P1342" (solid, pour order 1342): 12.224,89.694 23.336,89.694 23.336,86.677 17.78,86.677 17.78,82.391 12.224,82.391
VBB_12V on Bottom "VBB_12V_L08_P1343" (solid, pour order 1343): 23.812,89.694 30.639,89.694 30.639,67.469 27.94,67.469 27.94,84.455 23.812,84.455
NetC7115_2 on Bottom "NETC7115_2_L08_P1346" (solid, pour order 1346): 18.098,90.011 33.496,90.011 33.496,110.331 18.098,110.331
NetC7105_2 on Bottom "NETC7105_2_L08_P1347" (solid, pour order 1347): 4.286,89.694 4.286,55.086 21.907,55.086 21.907,59.214 7.461,59.214 7.461,84.455 11.747,84.455 11.747,89.694
NetC7111_2 on Bottom "NETC7111_2_L08_P1348" (solid, pour order 1348): 17.462,90.011 2.064,90.011 2.064,110.331 17.462,110.331
NetQ7300_1_D on Bottom "NETQ7300_1_D_L08_P1399" (solid, pour order 1399): 4.127,45.879 4.127,54.451 16.351,54.451 16.351,45.879
NetQ7300_2_D on Bottom "NETQ7300_2_D_L08_P1389" (solid, pour order 1389): 4.127,24.765 4.127,33.337 16.351,33.337 16.351,24.765
VSUP_ext_2 on Bottom "VSUP_EXT_2_L08_P1388" (solid, pour order 1388): 4.127,24.606 4.127,21.273 10.16,21.273 10.16,24.606
NetQ7301_2_S on Bottom "NETQ7301_2_S_L08_P1387" (solid, pour order 1387): 20.32,21.273 20.32,25.717 16.51,25.717 16.51,24.606 10.477,24.606 10.477,21.273
MCU_3.3V on Int5 (Pwr) "NONET_L-01_P-001" (solid, pour order 1432): 160.655,117.792 160.655,93.504 169.545,93.504 169.545,91.281 197.802,91.281 197.802,54.61 182.404,54.61 182.404,20.002 181.451,20.002 176.054,20.002 176.054,18.574 170.18,18.574 170.18,2.222 2.381,2.222 2.381,117.792
VBB_12V on Int5 (Pwr) "VBB_12V_L06_P1334" (solid, pour order 1334): 96.996,26.829 86.519,26.829 86.519,40.481 110.331,40.481 110.331,31.591 96.996,31.591
VBB_12V on Int5 (Pwr) "VBB_12V_L06_P1333" (solid, pour order 1333): 53.023,26.829 42.545,26.829 42.545,40.481 86.519,40.481 86.519,31.591 53.023,31.591
VISO_ext on Int5 (Pwr) "NONET_L-01_P-001" (solid, pour order 1414): 184.944,47.307 197.802,47.307 197.802,21.749 184.944,21.749
VBB_12V on Int5 (Pwr) "NONET_L-01_P-001" (solid, pour order 1416): 42.545,40.481 33.972,40.481 33.972,84.455 27.94,84.455 27.94,65.246 31.115,65.246 31.115,37.782 42.545,37.782
MCU_1.2V on Int5 (Pwr) "MCU_1.2V_L06_P1322" (solid, pour order 1322): 145.891,65.405 143.827,65.405 143.827,53.975 145.891,53.975
MCU_1.2V on Int5 (Pwr) "MCU_1.2V_L06_P1323" (solid, pour order 1323): 145.097,68.58 143.034,68.58 143.034,80.01 145.097,80.01
MCU_1.2V on Int5 (Pwr) "MCU_1.2V_L06_P1324" (solid, pour order 1324): 146.05,66.358 146.05,68.421 157.48,68.421 157.48,66.358
MCU_1.2V on Int5 (Pwr) "MCU_1.2V_L06_P1325" (solid, pour order 1325): 142.875,65.564 142.875,67.627 131.445,67.627 131.445,65.564
GND on Int2 (Gnd) "NONET_L-01_P-001" (solid, pour order 1421): 160.655,117.792 160.655,93.504 169.545,93.504 169.545,91.281 197.802,91.281 197.802,54.61 182.404,54.61 182.404,20.002 181.451,20.002 176.054,20.002 176.054,18.574 170.18,18.574 170.18,2.222 2.381,2.222 2.381,117.792
GND_ext on Int2 (Gnd) "NONET_L-01_P-001" (solid, pour order 1413): 182.086,10.954 182.086,5.715 190.5,5.715 190.5,10.954
ETHERNET.SHIELD_1 on Int2 (Gnd) "ETHERNET.SHIELD_1_L03_P1365" (solid, pour order 1365): 170.021,119.697 191.452,119.697 191.452,109.379 170.021,109.379
SHIELD on Int2 (Gnd) "SHIELD_L03_P1363" (solid, pour order 1363): 197.644,98.108 197.644,103.188 192.881,103.188 192.881,109.22 170.021,109.22 170.021,103.188 163.036,103.188 163.036,95.885 169.386,95.885 169.386,98.108
GND_ext on Int2 (Gnd) "NONET_L-01_P-001" (solid, pour order 1412): 184.944,10.954 184.944,47.307 197.802,47.307 197.802,10.954
VSUP_ext_1 on Int4 (Sig) "NONET_L-01_P-001" (solid, pour order 1422): 10.16,42.386 10.16,45.72 2.064,45.72 2.064,8.255 8.255,8.255 8.255,4.763 19.844,4.763 19.844,13.652 4.604,13.652 4.604,42.386
ETHERNET.SHIELD_1 on Int4 (Sig) "ETHERNET.SHIELD_1_L05_P1410" (solid, pour order 1410): 170.021,119.697 191.452,119.697 191.452,109.379 170.021,109.379
SHIELD on Int4 (Sig) "SHIELD_L05_P1409" (solid, pour order 1409): 197.644,98.108 197.644,103.188 192.881,103.188 192.881,109.22 170.021,109.22 170.021,103.188 163.036,103.188 163.036,95.885 169.386,95.885 169.386,98.108
VCC on Int4 (Sig) "VCC_L05_P1320" (solid, remove dead copper, pour order 1320): 169.069,46.514 156.21,46.514 156.21,34.925 169.069,34.925
MCU_5.0V_LDO on Int6 (Sig) "NONET_L-01_P-001" (solid, pour order 1433): 34.131,70.644 34.131,34.29 149.066,34.29 149.066,20.479 177.8,20.479 177.8,91.123 160.655,91.123 160.655,117.951 107.95,117.951 107.95,70.644
VSUP_ext_1 on Int6 (Sig) "NONET_L-01_P-001" (solid, pour order 1418): 10.16,42.386 10.16,45.72 2.064,45.72 2.064,8.255 8.255,8.255 8.255,4.763 19.844,4.763 19.844,13.652 4.604,13.652 4.604,42.386
VSUP_ext_1 on Int6 (Sig) "NONET_L-01_P-001" (solid, pour order 1417): 10.16,42.386 10.16,45.72 2.064,45.72 2.064,8.255 8.255,8.255 8.255,4.763 19.844,4.763 19.844,13.652 4.604,13.652 4.604,42.386
MCU_1.1V on Int6 (Sig) "NONET_L-01_P-001" (solid, pour order 1435): 178.118,91.123 178.118,59.531 195.58,59.531 195.58,91.123
VSUP_30 on Int6 (Sig) "Int6 (Sig)-VSUP_30" (solid, pour order 1439): 16.51,21.273 33.814,21.273 33.814,70.802 95.567,70.802 95.567,83.979 28.892,83.979 28.892,28.892 16.51,28.892
VSUP_ext_2 on Int1 (Sig) "NONET_L-01_P-001" (solid, pour order 1419): 8.255,4.763 23.019,4.763 23.019,13.652 10.16,13.652 10.16,24.606 2.064,24.606 2.064,8.255 8.255,8.255
VEE on Int1 (Sig) "VEE_L02_P1317" (solid, remove dead copper, pour order 1317): 169.069,46.514 156.21,46.514 156.21,34.925 169.069,34.925
VSUP_ext_2 on Int3 (Sig) "NONET_L-01_P-001" (solid, pour order 1420): 8.255,4.763 23.019,4.763 23.019,13.652 10.16,13.652 10.16,24.606 2.064,24.606 2.064,8.255 8.255,8.255

## Keep-outs
Keep-Out Layer:
  region: 11.5,0 11.5,2 2,2 2,0
  region: 198,0 198,2 187.5,2 187.5,0
  region: 198,118 198,120 188.5,120 188.5,118
  region: 171.5,118 171.5,120 2,120 2,118
  rectangle: 0,0 2,120
  rectangle: 198,0 200,120

## Other copper
Top:
  text "L1/Top" at 192.881,8.529 h1.52
Int2 (Gnd):
  pour cut-out: 197.961,54.292 197.961,57.944 195.897,57.944 195.897,54.292
  pour cut-out: 195.897,47.466 195.897,43.815 197.961,43.815 197.961,47.466
  text "L3" at 192.881,8.408 h1.52
Int3 (Sig):
  text "L4" at 192.881,8.4 h1.52
Int1 (Sig):
  text "L2" at 192.881,8.399 h1.52
Int4 (Sig):
  text "L5" at 192.881,8.414 h1.52
Int5 (Pwr):
  pour cut-out: 197.961,54.292 197.961,57.944 195.897,57.944 195.897,54.292
  pour cut-out: 195.897,47.466 195.897,43.815 197.961,43.815 197.961,47.466
  text "L6" at 192.881,8.408 h1.52
Int6 (Sig):
  text "L7" at 192.881,8.405 h1.52
Bottom:
  text "L8/Bot." at 192.881,8.402 h1.52

## Silkscreen, mask and mechanical layers (free items; w line width, h text height)
Top Overlay:
  drawing of 37 lines, arcs and shapes, not listed
  text "Ethernet" at 191.294,111.919 h1.52 r90
  text "Fraunhofer IISB / '.GlobalProject' v'.Global_Major_Minor_Patch_Version'" at 12.383,108.893 h1.27
  text "Extension / connector" at 105.66,108.636 h1.52
  text "BMS-Interface / Connector" at 148.438,108.582 h1.52
  text "Creative Commons / Attribution 4.0" at 62.87,99.894 h1.27
  text "MRAM" at 126.524,98.901 h1.52 r90
  text "generation 2" at 84.852,95.515 h2.54
  text "foxBMS" at 7.938,92.551 h5 r90
  text "FLASH" at 133.35,88.741 h1.52
  text "FRAM" at 121.761,85.407 h1.52
  text "Port Expander 2" at 79.057,80.486 h1.52
  text "Port Expander 3" at 100.965,80.486 h1.52
  text "RTC" at 52.268,80.169 h1.52
  text "Debug/Trace" at 114.935,67.945 h1.52 r90
  text "Buck-Boost-Converter" at 3.492,65.087 h1.52 r90
  text "VBB_12V" at 33.356,61.163 h1.02 r90
  text "SBC" at 105.569,59.69 h1.52
  text "MCU_3.3V" at 75.068,58.454 h1.02 r90
  text "enable" at 164.138,56.77 h1.27
  text "MCU" at 137.477,56.674 h1.52
  text "debug" at 113.03,56.039 h1.27 r90
  text "wake" at 108.744,55.989 h1.27 r90
  text "WD reset" at 166.356,50.885 h1.27 r90
  text "off          on" at 113.824,49.689 h1.27 r90
  text "disable" at 163.827,49.226 h1.27
  text "MCU_FS0B" at 75.703,40.469 h1.02 r90
  text "VSUP_30C" at 31.301,36.754 h1.02 r90
  text "Port / Expander 1" at 75.565,31.115 h1.27 r90
  text "Supply Protection" at 3.492,26.987 h1.52 r90
  text "Smart Switch 1" at 42.227,26.511 h1.27 r90
  text "Smart Switch 2" at 86.201,26.194 h1.27 r90
  text "off        on" at 40.515,25.799 h1.27 r90
  text "limp home test" at 35.896,24.461 h1.27 r90
  text "EMIF Connector" at 122.438,20.796 h1.52 r90
  text "VSUP_30" at 31.142,15.967 h1.02 r90
  text "Supply" at 11.271,0.476 h1.52 r90
  text "Cont. Outputs" at 32.226,0.476 h1.52 r90
  text "Interlock" at 123.031,0.476 h1.52 r90
  text "IMD" at 132.398,0.476 h1.52 r90
  text "RS232/485" at 145.097,0.476 h1.52 r90
  text "CAN 1" at 160.496,0.476 h1.52 r90
  text "CAN 2 (iso.)" at 176.213,0.476 h1.52 r90
Mechanical 15:
  lines w0.1: 199.995,-4.945 cw(c194.995,-4.945) 194.995,-9.945 4.995,-9.945 cw(c4.995,-4.945) -0.005,-4.945 0,115 cw(c5,115) 5,120 195,120 cw(c195,115) 200,115 200,-4.896

## Text inside footprints (layer, text, board x,y; h text height)
S4500: Top Overlay "ON" at 37.179,29.813 h0.89; Mechanical 13 "ON" at 37.179,29.813 h0.89
S6600: Top Overlay "ON" at 167.672,54.737 h0.89; Mechanical 13 "ON" at 167.672,54.737 h0.89
S7200: Top Overlay "ON" at 109.093,54.102 h0.89; Mechanical 13 "ON" at 109.093,54.102 h0.89